# KiCad board PCB0240.kicad_pcb (continued)
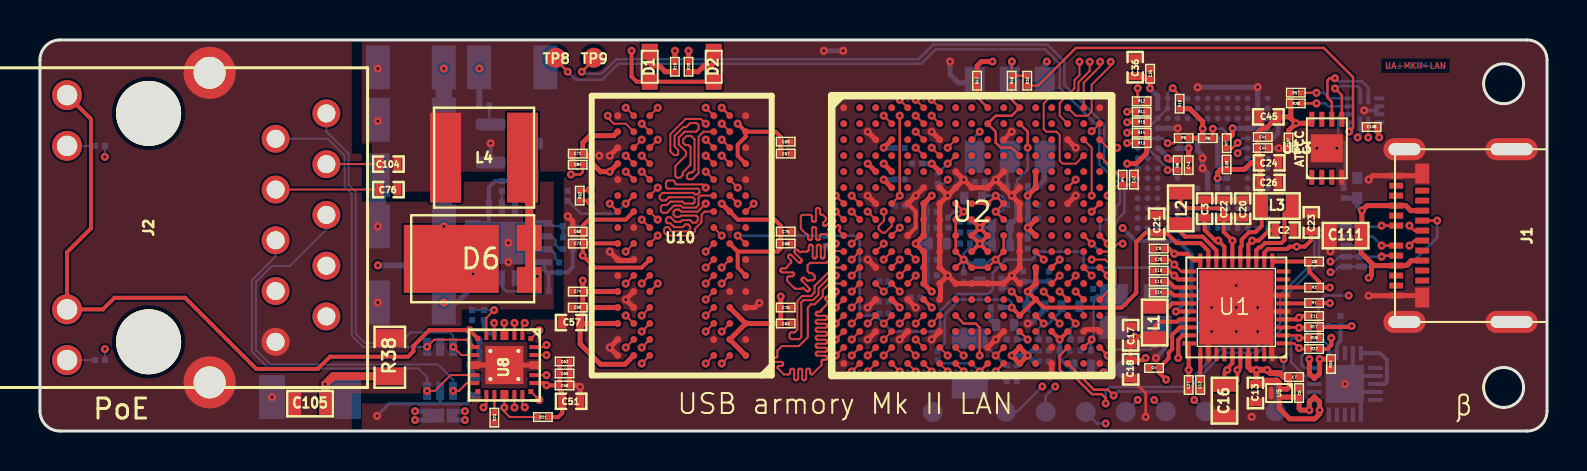
[diagram p0: board, top side]
## Routing (per net, layer and track width the routed paths; a pad name or vN(x,y) marks a point on that pad's centre or on a via; arc(x,y) is an arc through that point) (continued)
  SIGNAL_2 w0.1: v1(53.39,11.78) 54.7,10.47 54.7,7.52 54.15,6.97 54.15,3.11 51.27,0.23 22.81,0.23 22.18,0.86 v1(22.18,1.18)
/Ethernet/ENET2_TX_DATA0: length 48.2
  TOP w0.1: U8.23 25.22,4.2 v1(25.33,4.31) ; U2.A15 51.79,15.78 52.39,15.78 52.59,15.98 52.59,17.33 53.54,18.28 v1(53.54,18.48)
  SIGNAL_2 w0.1: v1(53.54,18.48) 53.54,17.83 51.51,15.8 48.76,15.8 48.22,15.26 48.22,13.69 47.3,12.77 47.3,10.92 47.59,10.63 47.59,8.9 47.43,8.74 47.43,8.39 47.65,8.17 47.65,5.48 46.59,4.42 46.59,2.7 45.87,1.98 29.58,1.98 27.26,4.31 v1(25.33,4.31)
/Ethernet/ENET2_TX_DATA1: length 46.2
  TOP w0.1: U8.24 24.97,5.05 v1(24.97,5.05) ; U2.A16 52.19,17.43 53.02,18.25 v1(53.02,18.48)
  SIGNAL_2 w0.1: v1(24.97,5.05) 26.81,5.05 29.67,2.18 45.19,2.18 45.79,2.78 45.79,3.91 47.45,5.57 47.45,8.08 47.23,8.3 47.23,8.83 47.39,8.99 47.39,10.54 47.1,10.83 47.1,12.86 48.02,13.78 48.02,15.35 48.67,16 51.42,16 53.02,17.59 v1(53.02,18.48)
/Ethernet/ENET2_TX_EN: length 47.7
  TOP w0.1: v1(24.24,5.41) 24.12,5.29 U8.1 ; U2.B15 50.99,15.78 50.99,16.42 51.3,16.73 51.61,16.73 51.93,17.05 51.93,17.46 52.49,18.02 v1(52.49,18.48)
  SIGNAL_2 w0.1: v1(52.49,18.48) 52.49,17.37 51.33,16.21 48.59,16.21 47.82,15.44 47.82,13.87 46.9,12.95 46.9,10.83 46.59,10.52 46.59,5.07 45.69,4.17 45.2,4.17 44.99,3.96 44.99,2.66 44.72,2.38 29.76,2.38 26.74,5.41 v1(24.24,5.41)
/Ethernet/LED0: length 24.6
  TOP w0.1: U8.4 22.72,5.39 v1(22.71,5.41)
  SIGNAL_2 w0.1: v1(22.71,5.41) 22.33,5.78 22.33,6.46 21.83,6.96 13.7,6.96 12.47,5.73 7.96,5.73 7.1,6.59 4.04,6.59 3.24,5.79 v1(3.24,4.1)
  BOTTOM w0.1: R35.2 v1(3.24,4.1)
/Ethernet/LED2: length 26.2
  TOP w0.1: v1(23.73,5.41) 23.72,5.4 U8.2
  SIGNAL_2 w0.1: v1(3.24,13.72) 3.24,12.4 7.36,8.28 12.63,8.28 13.7,7.21 22.42,7.21 23.73,5.91 v1(23.73,5.41)
  BOTTOM w0.1: R30.2 v1(3.24,13.72)
/Ethernet/RCT: length 2.7
  TOP w0.1: C104.1 16.97,13.36 J2.3
/Ethernet/RD_N: length 19.7
  TOP w0.1: U8.7 21.38,4.57 19.71,4.57 v1(19.36,4.22)
  BOTTOM w0.1: J2.2 14.39,14.62 15.23,13.78 15.23,12.23 15.59,11.87 15.59,4.77 16.15,4.21 U9.4 v1(19.36,4.22)
/Ethernet/RD_P: length 18.8
  TOP w0.1: v1(20.66,4.21) 21.07,3.8 U8.8
  BOTTOM w0.1: v1(20.66,4.21) 20.66,4.77 20.49,4.94 18.53,4.94 18,4.41 16.24,4.41 15.79,4.86 15.79,11.96 15.43,12.32 15.43,13.87 14.32,14.98 J2.1
/Ethernet/TCT: length 5.2
  TOP w0.1: C76.1 16.97,12.08 J2.4
/Ethernet/TD_N: length 18.8
  TOP w0.1: v1(19.35,2.01) 19.74,2.01 20.53,2.8 U8.10
  BOTTOM w0.1: v1(19.35,2.01) U9.3 19.36,2.69 18.92,3.13 11.44,3.13 10.6,3.97 10.6,7.56 11.78,8.74 11.78,9.55
/Ethernet/TD_P: length 21
  TOP w0.1: U8.11 21.34,2.4 20.95,2.01 v1(20.66,2.01)
  BOTTOM w0.1: J2.5 14.32,10.09 12.49,8.26 11.6,8.26 10.8,7.46 10.8,4.06 11.53,3.33 19.9,3.33 20.66,2.57 v1(20.66,2.01)
/Ethernet/V_POE: length 11
  TOP w0.406: R38.2 14.65,2.74 v1(14.26,2.35) 14.27,2.35 C105.1
  BOTTOM w0.3: U7.2 21.28,9.09 20.47,8.29 v1(16.89,8.29)
  BOTTOM w0.406: D5.1 15.4,1.83 14.88,2.35 v1(14.26,2.35)
/PMIC/LICELL: length 1.3
  TOP w0.203: 58.03,3.88 58.03,2.56 C12.1
/PMIC/VCORE: length 1.3
  TOP w0.203: U1.24 56.71,6.78 56.57,6.93 C14.1
/PMIC/VDIG: length 1.4
  TOP w0.203: U1.23 56.74,7.19 56.44,7.48 C15.1
/PMIC/VSNVS_3V: length 3.4
  TOP w0.203: v1(64.5,6.4) 64.5,6.41 R1.1 ; C27.1 v1(57.44,3.06) 57.44,4.35 U1.30 ; v1(64.58,4.66) 64.58,4.3 64.38,4.11 R22.1
/PMIC/VSYS: length 20.2
  TOP w0.203: C3.1 58.24,10.06 58.77,9.53 v1(58.92,9.53) 59.23,9.22 U1.17 ; v1(56.8,5.98) 56.81,5.98 U1.26 ; C2.1 61.48,10.06 60.95,9.53 v1(60.62,9.53) 60.43,9.34 U1.14 ; C9.1 56.46,9.13 v1(56.72,8.87) 57.38,8.87 57.71,8.53 U1.20 ; v1(64.5,7.18) R2.1 63.97,7.47 63.47,7.97 C8.1 63.46,8.48 61.63,8.48 ; 59.63,3.83 59.63,3.38 59.37,3.13 v1(59.37,3.06) 59.23,2.92 C16.1 59.65,2.28 59.88,2.52 v1(59.88,3.06) 60.03,3.2 60.03,3.83 ; U1.28 56.99,5.19 56.62,4.81 56.62,4.1 56.44,3.92 56.44,3.63 C4.1 55.96,2.92 v1(56.31,2.57)
  BOTTOM w0.203: C1.1 57.14,6.32 v1(56.8,5.98)
/Power/NVCC_PLL_OUT: length 2.8
  TOP w0.127: U2.P13 v1(50.19,5.38)
  BOTTOM w0.127: C97.1 51.09,6.03 50.44,5.38 v1(50.19,5.38) 49.94,5.13 C95.1
/USB/USB1_CC1: length 11.3
  TOP w0.127: J1.A5 67.14,8.78 v1(67.09,8.73)
  SIGNAL_2 w0.127: v1(64.53,8.48) 64.84,8.48 65.05,8.69 65.05,12.74 66.42,14.11 v1(66.42,14.69)
  BOTTOM w0.127: v1(67.09,8.73) U6.4 64.99,8.73 64.74,8.48 v1(64.53,8.48) ; U14.1 v1(66.42,14.69)
/USB/USB1_CC2: length 16.2
  TOP w0.127: J1.B5 v1(69.87,10.53)
  SIGNAL_2 w0.127: v1(64.53,7.95) 64.31,7.95 64.12,8.14 64.12,12.14 65.89,13.91 v1(65.89,14.69)
  BOTTOM w0.127: U14.2 66.02,14.82 v1(65.89,14.69) ; v1(64.53,7.95) 64.7,7.95 64.98,8.23 U6.5 68.41,8.23 69.87,9.69 v1(69.87,10.53)
/USB/USB1_DN: length 27.1
  TOP w0.127: v1(53.29,1.38) 53.29,1.65 53.1,1.84 52.61,1.84 51.67,2.78 51.29,2.78 50.99,3.08 50.99,3.78 U2.T15 ; J1.B7 68.73,9.53 v1(68.48,9.28) ; J1.A7 v1(67.09,10.28)
  SIGNAL_1 w0.127: v1(68.48,9.28) 67.48,10.28 v1(67.09,10.28)
  BOTTOM w0.127: v1(53.29,1.38) 53.29,2 53.49,2.2 57.17,2.2 59.12,4.16 60.77,4.16 62.03,5.42 62.03,6.82 63.74,8.52 63.74,9.72 64.11,10.1 64.59,10.1 64.72,10.23 U6.1 67.04,10.23 v1(67.09,10.28)
/USB/USB1_DP: length 24.8
  TOP w0.127: v1(53.69,1.78) 53.4,2.07 52.7,2.07 U2.U15 ; J1.B6 68.73,10.03 v1(68.48,10.28) ; J1.A6 v1(67.09,9.28)
  SIGNAL_2 w0.127: v1(68.48,10.28) 67.48,9.28 v1(67.09,9.28)
  BOTTOM w0.127: v1(67.09,9.28) 66.64,9.73 U6.2 64.72,9.73 64.59,9.86 64.19,9.86 63.96,9.63 63.96,8.43 62.27,6.73 62.27,5.27 60.92,3.93 59.21,3.93 57.26,1.98 53.89,1.98 v1(53.69,1.78)
/USB/USB1_VBUS: length 21.9
  TOP w0.254: v1(63.48,3.6) 63.48,2.88 63.73,2.62 63.99,2.88 v1(63.99,3.6) R33.1 ; 66.59,8.4 66.06,8.93 C111.1 66.1,9.83 v1(66.1,11.03) 66.35,11.28 J1.A9 68.3,11.28 68.55,11.03 J1.B4 ; 66.59,8.4 66.59,7.81 v1(66.44,7.67) ; 66.59,8.4 66.71,8.28 J1.A4 68.32,8.28 68.57,8.53 J1.B9 ; U5.A2 62.92,1.7 C6.1 62.97,1.13 63.06,1.05 v1(63.48,1.05) 63.48,1.45 63.73,1.71 63.99,1.45 v1(63.99,1.05) 63.99,0.86 63.75,0.61 62.49,0.61 61.97,1.13 U5.B2 U5.A2
  BOTTOM w0.254: v1(21.25,0.55) 20.81,0.55 D4.1 20.81,0.99 v1(21.25,0.99) ; R34.1 U15.1 65.88,11.65 65.88,11.25 v1(66.1,11.03)
DCDC_3V3: length 82.3
  TOP w0.203: U1.15 60.03,9.19 60.09,9.25 60.09,9.58 60.47,9.95 60.79,9.95 61.09,10.25 61.09,11 61.02,11.07 ; C11.1 63.04,5.75 v1(62.96,5.68) 62.87,5.58 U1.4 ; v1(65.59,5.25) 65.54,5.2 R17.1 R18.1 ; v1(66.97,14.69) 66.97,14.83 66.84,14.97 C108.1 ; C58.1 25.98,2.07 26.11,1.94 C51.1 26.12,1.48 26.12,0.9 25.92,0.7 R21.2 ; C62.1 C65.1 ; U8.6 21.9,4.63 v1(21.48,5.05) 19.46,5.05 18.67,4.26 18.67,3.99 18.4,3.72 14.5,3.72 13.89,3.11 10.81,3.11 7.25,6.67 3.72,6.67 3.14,6.09 J2.13 1.35,8.95 2.55,10.15 2.55,15.61 J2.11 ; U8.19 25.22,2.4 v1(25.33,2.29) 25.99,2.29 25.99,2.89
  TOP w0.254: v1(47.63,18.49) 47.08,18.49 46.86,18.27 R47.2 ; C24.1 60.56,13.42 60.23,13.09 C39.1 59.05,13.09 58.89,12.92 v1(58.89,12.65) ; C24.1 61.02,13.75 60.9,13.88 C44.1 C41.1 60.9,14.92 61.14,15.16 61.32,15.16 C45.1 62.48,15.72 62.55,15.65 ; C24.1 C26.1 61.02,11.33 L3.2 ; 62.55,15.65 v1(62.8,15.4) ; 62.55,15.65 R28.1 R57.1 ; v1(62.8,15.4) 62.44,15.03 C107.1 ; v1(62.8,15.4) 63.4,15.4 U13.8 63.6,15.44 ; U2.J13 v1(49.39,10.18) U2.H13 ; v1(49.39,11.78) U2.F13 U2.E13 ; C43.1 v1(57.44,14.15) ; U2.F4 v1(42.19,12.58)
  BOTTOM w0.127: TP11.1 61.79,2.66 62.19,3.06 v1(62.19,3.59) ; v1(46.99,14.98) 46.74,14.73 SW1.4
  BOTTOM w0.203: C5.1 65.04,4.52 64.86,4.34 U4.12 ; C5.1 R29.1 ; C5.1 v1(65.59,5.25) ; 22.25,5.05 22.42,4.88 R24.2 ; 22.25,5.05 v1(21.48,5.05) ; 22.25,5.05 22.19,5.1 R25.2 ; C54.1 21.72,2.87 21.47,3.12 C61.1 C72.1 C64.1 21.47,5.04 ; U14.12 v1(66.97,14.69)
  BOTTOM w0.254: C48.1 42.2,12.59 v1(42.19,12.58) ; v1(49.39,11.78) 49.42,11.8 C55.1 ; v1(49.39,11.78) 49.41,11.8 ; v1(49.39,11.78) 49.41,11.76 C46.1 C33.1 49.41,10.2 v1(49.39,10.18) C47.1 ; SW1.3 50.24,18.38 v1(50.35,18.49) ; U3.J10 58.89,12.64 v1(58.89,12.65) U3.K9 ; U3.E6 v1(57.44,14.15) 57.44,14.6 U3.F5
DDR_1V35: length 66.2
  TOP w0.203: 34.89,8.98 34.89,8.18 U10.F1 ; 34.89,8.98 U10.H2 ; 34.89,8.98 36.89,8.98 37.04,9.13 C68.1 ; U10.K2 34.89,10.58 36.74,10.58 37.04,10.28 C75.1 ; U10.R1 35.29,14.73 34.89,14.33 34.89,13.78 U10.N1 ; U10.R1 36.79,14.98 37.04,14.73 C69.1 ; U10.R1 v1(34.89,15.38) ; C60.1 27.14,10.28 27.44,10.58 29.29,10.58 U10.K8 ; C22.1 59.19,10.95 58.99,11.15 57.3,11.15 57.04,11.41 L2.2 ; C22.1 C20.1 ; C22.1 59.19,9.97 v1(59.63,9.53) 59.63,9.52 59.63,8.53 ; 57.53,7.58 56.92,7.58 v1(56.72,7.78) 56.69,7.78 56.44,8.03 C10.1 ; U10.G7 30.09,8.18 27.74,8.18 v1(27.14,8.78) C73.1 27.15,9.39 28.88,9.39 U10.H9
  TOP w0.254: U10.R9 28.69,14.78 27.49,14.78 27.14,14.43 C71.1 27.28,13.88 27.58,13.58 27.58,13.43 28.03,12.98 v1(28.49,12.98) U10.N9 ; C57.1 27.01,4.36 28.03,3.34 29.25,3.34 U10.A8 ; C57.1 27.06,5.38 U10.C9 ; C57.1 27.01,5.75 27.14,5.88 C59.1 ; C59.1 U10.D9 ; C59.1 C74.1 ; C60.1 C73.1 ; U10.C1 U10.B2 U10.A1 ; U10.C1 C63.1 C70.1 v1(37.04,6.73) ; U10.C1 U10.D2 ; C74.1 v1(27.14,7.53) ; C74.1 U10.E9 ; U10.K2 v1(34.09,11.38) ; v1(44.59,11.78) U2.G6 U2.H6 U2.J6 v1(43.79,9.38) U2.K6 44.23,8.94 44.23,8.22 U2.L6 44.23,8.14 44.23,7.42 U2.M6 v1(44.59,6.98) ; C75.1 C68.1 ; C69.1 C67.1
  BOTTOM w0.254: v1(44.59,6.98) 44.34,7.23 C82.1 C81.1 C79.1 44.34,11.53 v1(44.59,11.78) ; v1(43.79,9.38) C77.1
DDR_VREF: length 43.7
  TOP w0.1: U2.P4 v1(42.19,5.38) ; v1(34.89,9.78) U10.H1
  TOP w0.127: C84.1 27.14,12.96 27.02,12.84 v1(26.55,12.84) ; C25.1 56.47,8.58 v1(56.72,8.33) 57.07,7.98 57.53,7.98 ; U10.M8 v1(29.29,12.98)
  GND_POWER_1 w0.127: v1(26.55,12.84) 27.09,13.38 28.89,13.38 v1(29.29,12.98) 31.39,10.88 33.79,10.88 v1(34.89,9.78)
  BOTTOM w0.127: v1(56.72,8.33) 56.57,8.18 52.39,8.18 52.19,8.38 52.19,8.78 51.99,8.98 49.99,8.98 49.59,8.58 48.32,8.58 47.64,7.91 47.64,7.08 47.42,6.86 45.87,6.86 45.02,6 45.02,5.18 44.82,4.98 42.59,4.98 v1(42.19,5.38) 41.94,5.63 C66.1 41.67,5.88 41.57,5.78 41.17,5.78 40.99,5.95 40.99,9.51 40.72,9.78 v1(34.89,9.78)
EMMC_1V8: length 24.8
  TOP w0.203: v1(56.92,3.65) 56.92,3.66 56.92,4.57 57.14,4.78 U1.29
  TOP w0.254: v1(59.64,15.15) 59.64,14.83 59.47,14.66 R7.1 ; R12.1 R11.1 R15.1 R14.1 R13.1 55.34,13.91 54.82,13.38 v1(54.37,13.38) ; R9.1 R6.1 58.15,15.12 ; v1(58.14,15.13) 58.14,15.48 57.5,16.13 R10.1 ; U2.E7 v1(44.59,13.38) ; R8.1 56.49,13.55 v1(56.39,13.65)
  BOTTOM w0.203: v1(56.92,3.65) 56.92,4.57 57.14,4.8 C32.1 57.14,5.61 57.59,6.05 57.59,8.84 56.91,9.52 54.78,9.52 v1(54.14,10.16)
  BOTTOM w0.254: v1(44.59,13.38) 44.12,13.38 C34.1 ; v1(59.64,15.15) U3.M4 U3.N4 U3.N3 U3.P3 61.65,15.65 61.91,15.39 61.91,14.91 61.65,14.65 U3.P5 ; U3.C6 55.95,14.15 56.39,13.71 v1(56.39,13.65)
ENET_MDC: length 41.3
  TOP w0.1: v1(23.73,1.18) 23.72,1.18 U8.16 ; U2.L16 v1(52.59,7.78)
  SIGNAL_2 w0.1: v1(52.59,7.78) 52.99,8.18 52.99,8.75 52.77,8.98 50.82,8.98 50.59,8.75 50.59,6.74 50.9,6.43 51.46,6.43 52.15,5.74 52.15,5.04 51.58,4.47 51.58,2.37 50.04,0.83 23.92,0.83 23.73,1.02 v1(23.73,1.18)
ENET_MDIO: length 45.1
  TOP w0.1: v1(54.14,9.38) 53.9,9.38 53.5,8.98 U2.K17 ; U8.15 23.22,1.18 v1(23.22,1.18) 23.22,0.97 23.49,0.7 R21.1
  SIGNAL_2 w0.1: v1(23.22,1.18) 23.22,0.91 23.5,0.63 50.15,0.63 51.78,2.26 51.78,4.37 52.35,4.94 52.35,5.83 51.42,6.76 51.42,7.98 51.62,8.18 51.94,8.18 52.19,7.93 52.19,7.61 52.55,7.25 53.53,7.25 54.14,7.87 v1(54.14,9.38)
ENET_nRST: length 45.6
  TOP w0.1: U8.5 22.32,5.66 v1(22.71,6.05) ; U2.N17 53.79,7.38 53.79,8.05 53.27,8.58 v1(52.59,8.58)
  SIGNAL_1 w0.1: v1(52.59,8.58) 51.84,9.33 49.29,9.33 47.42,7.45 47.42,5.11 46.62,4.3 46.62,1.61 45.32,0.3 29.88,0.3 26.72,3.46 26.72,4.51 25.38,5.85 22.91,5.85 v1(22.71,6.05)
  BOTTOM w0.1: v1(22.71,6.05) R25.1 C56.1
ENET_PWRDN: length 43.5
  TOP w0.1: U8.3 23.22,5.4 v1(23.22,5.41) ; U2.M15 v1(51.79,7.78)
  SIGNAL_2 w0.1: 51.79,7.66 v1(51.79,7.78) 51.79,7.56 52.95,6.4 52.95,4.25 51.98,3.28 51.98,2.07 50.34,0.43 23.32,0.43 22.79,0.97 22.79,2.03 23.08,2.32 23.08,2.73 22.71,3.1 22.71,3.52 23.22,4.03 v1(23.22,5.41)
  BOTTOM w0.1: v1(23.22,5.41) R24.1
I2C1_SCL: length 42.7
  TOP w0.127: R17.2 63,5.2 v1(62.96,5.17) 62.95,5.19 U1.3 ; v1(50.99,8.58) U2.L14 ; U13.6 64.6,16.47 64.38,16.69 64.38,17.55 64.49,17.66 v1(64.76,17.66)
  SIGNAL_1 w0.127: v1(64.76,17.66) 62.23,17.66 61.11,16.54 61.11,14.21 55.89,8.98 53.79,8.98 52.99,8.18 51.67,8.18 51.27,8.58 v1(50.99,8.58)
  SIGNAL_2 w0.127: v1(62.96,5.17) 63.27,5.17 63.55,5.45 63.55,12.2 63.19,12.56 63.19,14.56 64.36,15.73 64.36,17.52 64.49,17.66 v1(64.76,17.66)
  BOTTOM w0.127: v1(64.76,17.66) 64.91,17.5 66.11,17.5 66.42,17.19 66.42,16.69 ; U4.10 63.24,3.16 63.09,3.3 63.09,3.75 63.39,4.04 63.39,4.86 63.08,5.17 v1(62.96,5.17)
I2C1_SDA: length 38.9
  TOP w0.127: R18.2 62.97,4.66 v1(62.96,4.66) 62.84,4.78 U1.2 ; v1(64.76,17.14) 65.1,16.8 U13.5 ; U2.L17 v1(53.39,7.78)
  SIGNAL_1 w0.127: v1(53.39,7.78) 53.79,8.18 55.41,8.18 61.35,14.12 61.35,16.44 62.22,17.31 64.59,17.31 v1(64.76,17.14)
  SIGNAL_2 w0.127: v1(64.76,17.14) 64.76,15.75 63.46,14.44 63.46,12.68 63.78,12.36 63.78,5.05 63.39,4.66 v1(62.96,4.66)
  BOTTOM w0.127: U4.9 63.26,2.76 62.56,3.45 62.56,4.56 62.66,4.66 v1(62.96,4.66) ; 66.02,16.69 66.02,17.13 65.89,17.26 64.88,17.26 v1(64.76,17.14)
LDO2_3V3: length 57.8
  TOP w0.203: D2.2 D1.2 29.84,17.48 29.58,17.74 v1(29.58,19.03) ; U2.N13 U2.P12 v1(48.59,6.18) ; U2.N13 50.19,6.18 54.09,6.18 54.82,6.91 54.82,9.46 55.28,9.92 C21.1 56.33,9.92 56.84,9.41 58.04,9.41 58.43,9.02 U1.19 ; U2.N13 v1(49.39,6.98)
  TOP w0.254: U2.L13 U2.M13 v1(49.39,6.98)
  GND_POWER_1 w0.203: v1(29.58,19.03) 29.58,18.32 30.19,17.71 34.31,17.71 37.58,14.44 37.58,13.22 38.62,12.18 41.89,12.18 43.09,10.98 44.59,10.98 46.69,8.88 47.29,8.88 47.59,9.18 47.99,9.18 49.39,7.78 v1(49.39,6.98)
  BOTTOM w0.127: R3.1 45.24,4.38 45.24,5.83 45.99,6.58 48.44,6.58 48.59,6.43 v1(48.59,6.18)
  BOTTOM w0.203: C38.1 49.81,7.2 49.59,6.98 v1(49.39,6.98) 49.39,6.29 C85.1 ; C38.1 C40.1 ; C38.1 C86.1
  BOTTOM w0.254: v1(48.59,6.18) 48.05,6.18 C91.1
PMIC_WDI: length 20.1
  TOP w0.127: R22.2 63.01,4.11 v1(62.96,4.15) 62.95,4.15 62.72,4.38 U1.1 ; U2.F15 v1(51.79,12.58)
  SIGNAL_2 w0.127: v1(62.96,4.15) 57.17,4.15 55.51,5.8 55.51,11.18 53.72,12.97 52.18,12.97 v1(51.79,12.58)
POE_5V: length 14.8
  BOTTOM w0.1: C115.1 v1(20.19,10.24)
  BOTTOM w0.254: U7.1 v1(21.65,7.86) 21.65,7.23 20.85,6.43 v1(20.19,6.43) ; v1(18.75,0.99) 19.46,0.99 D4.2 19.46,0.55 v1(18.75,0.55)
  BOTTOM w0.3: R41.2 21.97,18.14 v1(21.97,18.14)
  BOTTOM w0.822: C113.1 20.19,15.58 C112.1 20.2,12.8 ; C116.1 20.19,10.24 C115.1
  vias: v1(20.19,18.14)
SD_3V3_1V8: length 4.6
  TOP w0.203: C23.1 63.57,9.55 63.25,9.23 v1(62.84,9.23) 62.49,9.23 62.37,9.11 61.4,9.11 61.23,8.94 U1.12
  TOP w0.254: v1(42.19,14.18) U2.C4
  BOTTOM w0.254: 42.74,14.16 42.21,14.16 v1(42.19,14.18)
SE050_ENA: length 30.4
  TOP w0.127: U2.G17 v1(52.59,10.98)
  SIGNAL_2 w0.127: v1(65.44,6.78) 65.05,6.39 65.05,3.36 63.92,2.23 57.45,2.23 56.35,3.33 56.35,4.14 55.05,5.44 55.05,10.94 53.69,12.3 53.16,12.3 52.99,12.13 U2.G17 v1(52.59,10.98)
  BOTTOM w0.127: U4.11 64.46,4.26 63.93,4.78 R29.2 63.93,6.47 64.24,6.78 v1(65.44,6.78)
TUSB_PORT: length 20.9
  TOP w0.127: R32.1 49.91,17.28 51.8,19.17 64.2,19.17 65.66,17.71 65.66,15.18 v1(65.47,14.99)
  BOTTOM w0.127: U14.3 v1(65.47,14.99)
USB1_INT_B: length 24.4
  TOP w0.127: v1(63.83,16.93) R57.2 ; v1(50.19,8.58) U2.K13
  SIGNAL_1 w0.127: v1(50.19,8.58) 50.59,8.18 51.22,8.18 51.39,8 51.39,7.61 51.62,7.38 59.34,7.38 63.33,11.38 63.33,16.43 v1(63.83,16.93)
  BOTTOM w0.127: U14.6 64.49,16.64 64.2,16.93 v1(63.83,16.93)
VSYS_5V: length 10.7
  TOP w0.254: C7.1 62.47,2.2 U5.A1 U5.B1 61.97,2.44 61.86,2.54 61.36,2.54 61.17,2.35 C13.1 ; U2.U12 v1(49.39,3.78) U2.T12 v1(48.59,3.78) U2.U12
  TOP w0.3: v1(60.83,3.06) 60.57,3.06 60.43,3.2 60.43,3.83 ; v1(60.83,3.06) 60.83,2.4 C13.1 ; v1(60.83,3.06) v1(61.37,3.06) 61.53,2.9 62,2.9 62.2,2.7 C7.1
  BOTTOM w0.254: C49.1 49.64,4.03 v1(49.39,3.78) ; C50.1 49.69,3.48 v1(49.39,3.78) ; v1(48.59,3.78) v1(49.39,3.78)
Net-(C109-Pad1): length 0.6
  BOTTOM w0.127: R39.1 27.19,10.26 C109.1
Net-(D1-K): length 2
  TOP w0.254: R19.1 31.27,17.98 30.98,18.27 30.63,18.27 30.49,18.41 D1.1
Net-(D2-K): length 2
  TOP w0.254: D2.1 33.69,18.41 33.55,18.27 33.2,18.27 32.91,17.98 R20.1
Net-(J2-LED_GREEN-): length 1.4
  BOTTOM w0.1: J2.14 R35.1
Net-(J2-LED_YELLOW-): length 1.4
  BOTTOM w0.1: J2.12 R30.1
Net-(Q1-C): length 3.8
  BOTTOM w0.127: U7.8 24.4,12 R42.2 24.78,12.01 24.86,12.09 24.86,13.08 24.47,13.47 24.47,14.39
Net-(Q1-E): length 1
  BOTTOM w0.127: 22.47,15.34 R41.1
Net-(SW1A-B): length 2.6
  TOP w0.127: v1(48.6,18.49) 48.6,17.79 R48.2 R32.2
  BOTTOM w0.127: SW1.2 48.49,18.38 v1(48.6,18.49)
Net-(SW1B-B): length 1.5
  BOTTOM w0.127: SW1.5 48.37,13.61 48.37,12.25
Net-(U1-ONKEY): length 1.3
  TOP w0.203: U1.8 63.46,7.19 R2.2
Net-(U1-PWRON): length 1.3
  TOP w0.203: U1.6 63.45,6.38 R1.2
Net-(U1-SW1LX): length 1.8
  TOP w0.203: U1.25 56.62,6.38 56.43,6.19 L1.1
Net-(U1-SW2LX): length 3.1
  TOP w0.203: U1.18 58.83,9.05 58.14,9.73 57.27,9.73 57.04,9.95 L2.1
Net-(U1-SW3LX): length 4
  TOP w0.203: U1.13 60.83,9.05 60.97,9.2 61.05,9.2 61.26,9.41 62.08,9.41 62.23,9.56 62.23,10.88 L3.1
Net-(U2D-CSI_DATA00): length 15.6
  TOP w0.254: U2.E4 v1(42.19,13.38) ; v1(31.75,19.03) R19.2
  GND_POWER_1 w0.254: v1(31.75,19.03) 31.75,18.56 32.24,18.07 34.53,18.07 37.99,14.61 37.99,13.37 38.78,12.58 41.39,12.58 v1(42.19,13.38)
Net-(U2D-CSI_DATA01): length 13.4
  TOP w0.254: v1(32.43,19.03) R20.2 ; U2.E3 v1(41.39,13.38)
  GND_POWER_1 w0.254: v1(41.39,13.38) 41.04,13.03 39.01,13.03 38.38,13.66 38.38,14.8 34.7,18.48 32.98,18.48 v1(32.43,19.03)
Net-(U2F-ENET2_TX_CLK): length 1.5
  TOP w0.1: R4.2 53.94,12.83 U2.D17
Net-(U2K-BOOT_MODE1): length 2.9
  TOP w0.127: U2.U10 v1(46.99,2.98)
  BOTTOM w0.127: R3.2 45.04,3.38 46.59,3.38 v1(46.99,2.98)
Net-(U4-VCC): length 3.2
  BOTTOM w0.203: U4.18 67.26,2.36 67.36,2.45 67.36,3.56 67.02,3.9 U4.15
Net-(U7-COMP): length 1.6
  BOTTOM w0.127: U7.9 25.54,10.39 25.67,10.26 R39.2 C19.1
Net-(U7-CSS): length 1.4
  BOTTOM w0.127: U7.10 25.59,9.75 25.77,9.56 25.77,9.32 25.99,9.1 C106.1
Net-(U7-FSEL): length 2.4
  BOTTOM w0.127: R37.2 23.32,6.99 23.1,7.22 U7.15
Net-(U7-ILIM): length 1.2
  BOTTOM w0.127: U7.11 25.53,9.09 25.77,8.85 25.77,8.63 R40.2
Net-(U7-RCLASS): length 0.8
  BOTTOM w0.127: U7.7 23.75,12 R36.2
Net-(U7-SW): length 6.8
  TOP w0.406: D6.2 D6.1 24.47,13.34 L4.1
  BOTTOM w0.127: v1(24.87,7.74) 24.78,7.65 U7.13
Net-(U7-VDD): length 0.8
  BOTTOM w0.127: U7.6 23.1,12 C110.1
Net-(U8-RBIAS): length 0.9
  TOP w0.127: R23.2 U8.14
Net-(U14-ADDR): length 2.5
  TOP w0.127: v1(63.84,16.39) R28.2
  BOTTOM w0.127: U14.5 64.42,16.25 64.27,16.39 v1(63.84,16.39)
Net-(U14-VBUS_DET): length 4.3
  BOTTOM w0.127: U14.4 65.06,15.84 64.92,15.7 64.92,14.75 65.25,14.42 65.25,12.21 R34.2

## Copper pours and planes (outline as drawn; the poured copper is in the pictures)
GND on TOP: 75.49,-0.12 16.09,-0.12 16.09,1.38 21.59,1.38 21.59,5.58 26.19,5.58 26.19,12.98 20.69,12.98 20.69,11.98 16.59,11.98 16.59,14.38 16.09,14.38 16.09,19.68 75.49,19.68
GND on BOTTOM: 75.49,-0.12 16.09,-0.12 16.09,1.38 21.39,1.38 21.39,5.18 20.89,5.18 20.89,6.68 26.19,6.68 26.19,12.98 20.69,12.98 20.69,11.98 16.59,11.98 16.59,14.38 16.09,14.38 16.09,19.68 75.49,19.68
GND on SIGNAL_1: 75.49,-0.12 16.09,-0.12 16.09,1.38 21.59,1.38 21.59,5.58 26.19,5.58 26.19,12.98 20.69,12.98 20.69,11.98 16.59,11.98 16.59,14.38 16.09,14.38 16.09,19.68 75.49,19.68
GND on GND_POWER_1: 40.29,19.68 40.29,17.28 37.49,17.28 37.49,15.88 38.79,15.88 38.79,13.48 42.89,13.48 42.89,14.58 43.89,14.58 43.89,12.08 46.29,12.08 46.29,12.38 45.99,12.38 45.99,12.68 46.39,12.68 46.39,12.48 47.59,12.48 47.59,12.68 47.99,12.68 47.99,12.48 53.39,12.48 53.39,9.48 55.29,9.48 55.29,12.58 60.39,12.58 60.39,15.38 61.69,15.38 61.69,14.38 61.99,14.38 61.99,13.88 61.69,13.88 61.69,8.78 61.39,8.78 61.39,10.28 57.29,10.28 57.29,9.68 55.39,9.68 55.39,4.78 47.89,4.78 47.89,2.78 53.69,2.78 53.69,-0.12 16.09,-0.12 16.09,1.38 21.59,1.38 21.59,5.58 26.19,5.58 26.19,12.98 20.69,12.98 20.69,11.98 16.59,11.98 16.59,14.38 16.09,14.38 16.09,19.68
GND on GND_POWER_1: 75.49,-0.12 68.29,-0.12 68.29,12.78 66.69,12.78 66.69,12.58 66.19,12.58 66.19,12.78 65.19,12.78 65.19,8.78 64.09,8.78 64.09,13.88 63.79,13.88 63.79,14.38 64.09,14.38 64.09,17.28 61.09,17.28 61.09,17.08 60.69,17.08 60.69,17.28 58.09,17.28 58.09,17.08 57.69,17.08 57.69,17.28 55.09,17.28 55.09,17.88 41.89,17.88 41.89,19.68 75.49,19.68
GND on GND_POWER_2: 26.69,6.8 36.19,6.8 36.19,3.98 26.69,3.98
GND on GND_POWER_2: 51.39,16.58 51.39,19.68 75.49,19.68 75.49,-0.12 68.29,-0.12 68.29,16.58
GND on GND_POWER_2: 41.59,5.98 36.19,5.98 36.19,3.98 40.19,3.98 40.19,3.28 41.59,3.28
GND on GND_POWER_2: 17.59,11.98 16.59,11.98 16.59,14.38 16.09,14.38 16.09,19.68 17.59,19.68
GND on SIGNAL_2: 75.49,-0.12 16.09,-0.12 16.09,1.38 21.59,1.38 21.59,5.58 26.19,5.58 26.19,12.98 20.69,12.98 20.69,11.98 16.59,11.98 16.59,14.38 16.09,14.38 16.09,19.68 75.49,19.68
GNDPWR on TOP: 15.59,13.88 16.09,13.88 16.09,11.48 21.19,11.48 21.19,12.48 25.69,12.48 25.69,6.08 21.09,6.08 21.09,1.88 15.59,1.88 15.59,-0.12 -0.11,-0.12 -0.11,19.68 15.59,19.68
GNDPWR on BOTTOM: 15.59,13.88 16.09,13.88 16.09,11.48 21.19,11.48 21.19,12.48 25.69,12.48 25.69,7.18 20.39,7.18 20.39,4.68 20.89,4.68 20.89,1.88 15.59,1.88 15.59,-0.12 -0.11,-0.12 -0.11,19.68 15.59,19.68
GNDPWR on SIGNAL_1: 15.59,13.88 16.09,13.88 16.09,11.48 21.19,11.48 21.19,12.48 25.69,12.48 25.69,6.08 21.09,6.08 21.09,1.88 15.59,1.88 15.59,-0.12 -0.11,-0.12 -0.11,19.68 15.59,19.68
GNDPWR on GND_POWER_1: 15.59,13.88 16.09,13.88 16.09,11.48 21.19,11.48 21.19,12.48 25.69,12.48 25.69,6.08 21.09,6.08 21.09,1.88 15.59,1.88 15.59,-0.12 -0.11,-0.12 -0.11,19.68 15.59,19.68
GNDPWR on GND_POWER_2: 15.59,13.88 16.09,13.88 16.09,11.48 17.59,11.48 17.59,9.38 12.89,9.38 12.89,-0.12 -0.11,-0.12 -0.11,19.68 15.59,19.68
GNDPWR on SIGNAL_2: 15.59,13.88 16.09,13.88 16.09,11.48 21.19,11.48 21.19,12.48 25.69,12.48 25.69,6.08 21.09,6.08 21.09,1.88 15.59,1.88 15.59,-0.12 -0.11,-0.12 -0.11,19.68 15.59,19.68
VDD_ARM_SOC_IN on GND_POWER_2: 61.29,3.28 54.09,3.28 54.09,5.68 60.59,5.68 60.59,10.28 55.99,10.28 55.99,7.88 52.29,7.88 52.29,7.28 47.59,7.28 47.59,7.88 46.69,7.88 46.69,11.98 48.29,11.98 48.29,9.48 50.19,9.48 50.19,11.88 62.09,11.88 62.09,4.38 61.29,4.38
VDD_HIGH_CAP on GND_POWER_2: 44.89,4.78 53.59,4.78 53.59,3.28 42.09,3.28 42.09,5.98 44.29,5.98 44.29,6.38 44.89,6.38
/Ethernet/V_POE on GND_POWER_2: 17.59,-0.12 13.39,-0.12 13.39,7.18 15.19,7.18 15.19,8.88 17.59,8.88
/PMIC/VSNVS_3V on GND_POWER_1: 57.19,3.38 57.69,3.38 57.69,6.61 65.19,6.61 65.19,4.38 62.49,4.38 62.49,3.88 58.59,3.88 58.59,2.78 57.19,2.78
/PMIC/VSYS on GND_POWER_1: 60.89,8.28 65.19,8.28 65.19,7.08 64.71,7.08 64.71,6.98 64.29,6.98 64.29,7.08 57.19,7.08 57.19,3.88 56.99,3.88 56.99,3.68 56.69,3.68 56.69,2.48 59.09,2.48 59.09,3.38 60.09,3.38 60.09,1.98 55.89,1.98 55.89,9.18 57.79,9.18 57.79,9.78 60.89,9.78
/USB/USB1_VBUS on GND_POWER_1: 67.79,12.28 67.79,-0.12 62.99,-0.12 62.99,3.88 65.69,3.88 65.69,12.28
/USB/USB1_VBUS on GND_POWER_2: 39.69,2.78 62.29,2.78 62.29,1.78 64.99,1.78 64.99,-0.12 20.89,-0.12 20.89,1.48 26.69,1.48 26.69,3.38 39.69,3.38
DCDC_3V3 on GND_POWER_2: 50.89,16.08 67.79,16.08 67.79,-0.12 65.49,-0.12 65.49,2.28 62.79,2.28 62.79,3.28 61.87,3.28 61.87,3.9 62.59,3.9 62.59,12.48 49.69,12.48 49.69,9.98 48.79,9.98 48.79,12.48 42.49,12.48 42.49,12.28 41.89,12.28 41.89,12.48 37.99,12.48 37.99,13.58 42.89,13.58 42.89,17.28 26.19,17.28 26.19,1.98 24.29,1.98 24.29,4.58 21.09,4.58 21.09,5.48 24.29,5.48 24.29,19.68 50.89,19.68
DDR_1V35 on GND_POWER_2: 37.49,11.98 41.89,11.98 41.89,11.78 42.49,11.78 42.49,11.98 46.19,11.98 46.19,7.38 47.09,7.38 47.09,6.78 52.79,6.78 52.79,7.38 56.49,7.38 56.49,9.78 60.09,9.78 60.09,6.18 53.59,6.18 53.59,5.28 45.39,5.28 45.39,6.78 43.59,6.78 43.59,6.48 36.69,6.48 36.69,7.28 26.69,7.28 26.69,16.78 37.49,16.78
EMMC_1V8 on GND_POWER_1: 59.89,13.08 54.79,13.08 54.79,9.98 53.89,9.98 53.89,12.98 45.79,12.98 45.79,12.58 44.39,12.58 44.39,14.58 53.89,14.58 53.89,15.38 59.89,15.38
POE_5V on GND_POWER_2: 23.79,5.98 20.59,5.98 20.59,4.58 18.99,4.58 18.99,-0.12 18.09,-0.12 18.09,19.68 23.79,19.68
SD_3V3_1V8 on GND_POWER_1: 63.59,8.78 62.19,8.78 62.19,15.88 53.39,15.88 53.39,15.08 42.39,15.08 42.39,13.98 39.25,13.98 39.25,16.38 37.99,16.38 37.99,16.78 40.79,16.78 40.79,19.28 41.39,19.28 41.39,17.38 54.59,17.38 54.59,16.78 63.59,16.78
SD_3V3_1V8 on GND_POWER_2: 42.39,13.98 37.99,13.98 37.99,16.78 42.39,16.78
VSYS_5V on GND_POWER_1: 48.39,4.28 55.39,4.28 55.39,1.48 60.59,1.48 60.59,3.38 62.49,3.38 62.49,-0.12 54.19,-0.12 54.19,3.28 48.39,3.28

## Text on the board
BOTTOM: UA-MKII-LAN
B.Silkscreen: ← eMMC    USB → | SE050 | USB armory Mk II LAN | PoE
TOP: UA-MKII-LAN
F.Silkscreen: ATECC | USB armory Mk II LAN | β | PoE
